# Altium PCB PCB1.PcbDoc (part 1 of 2) (continued)
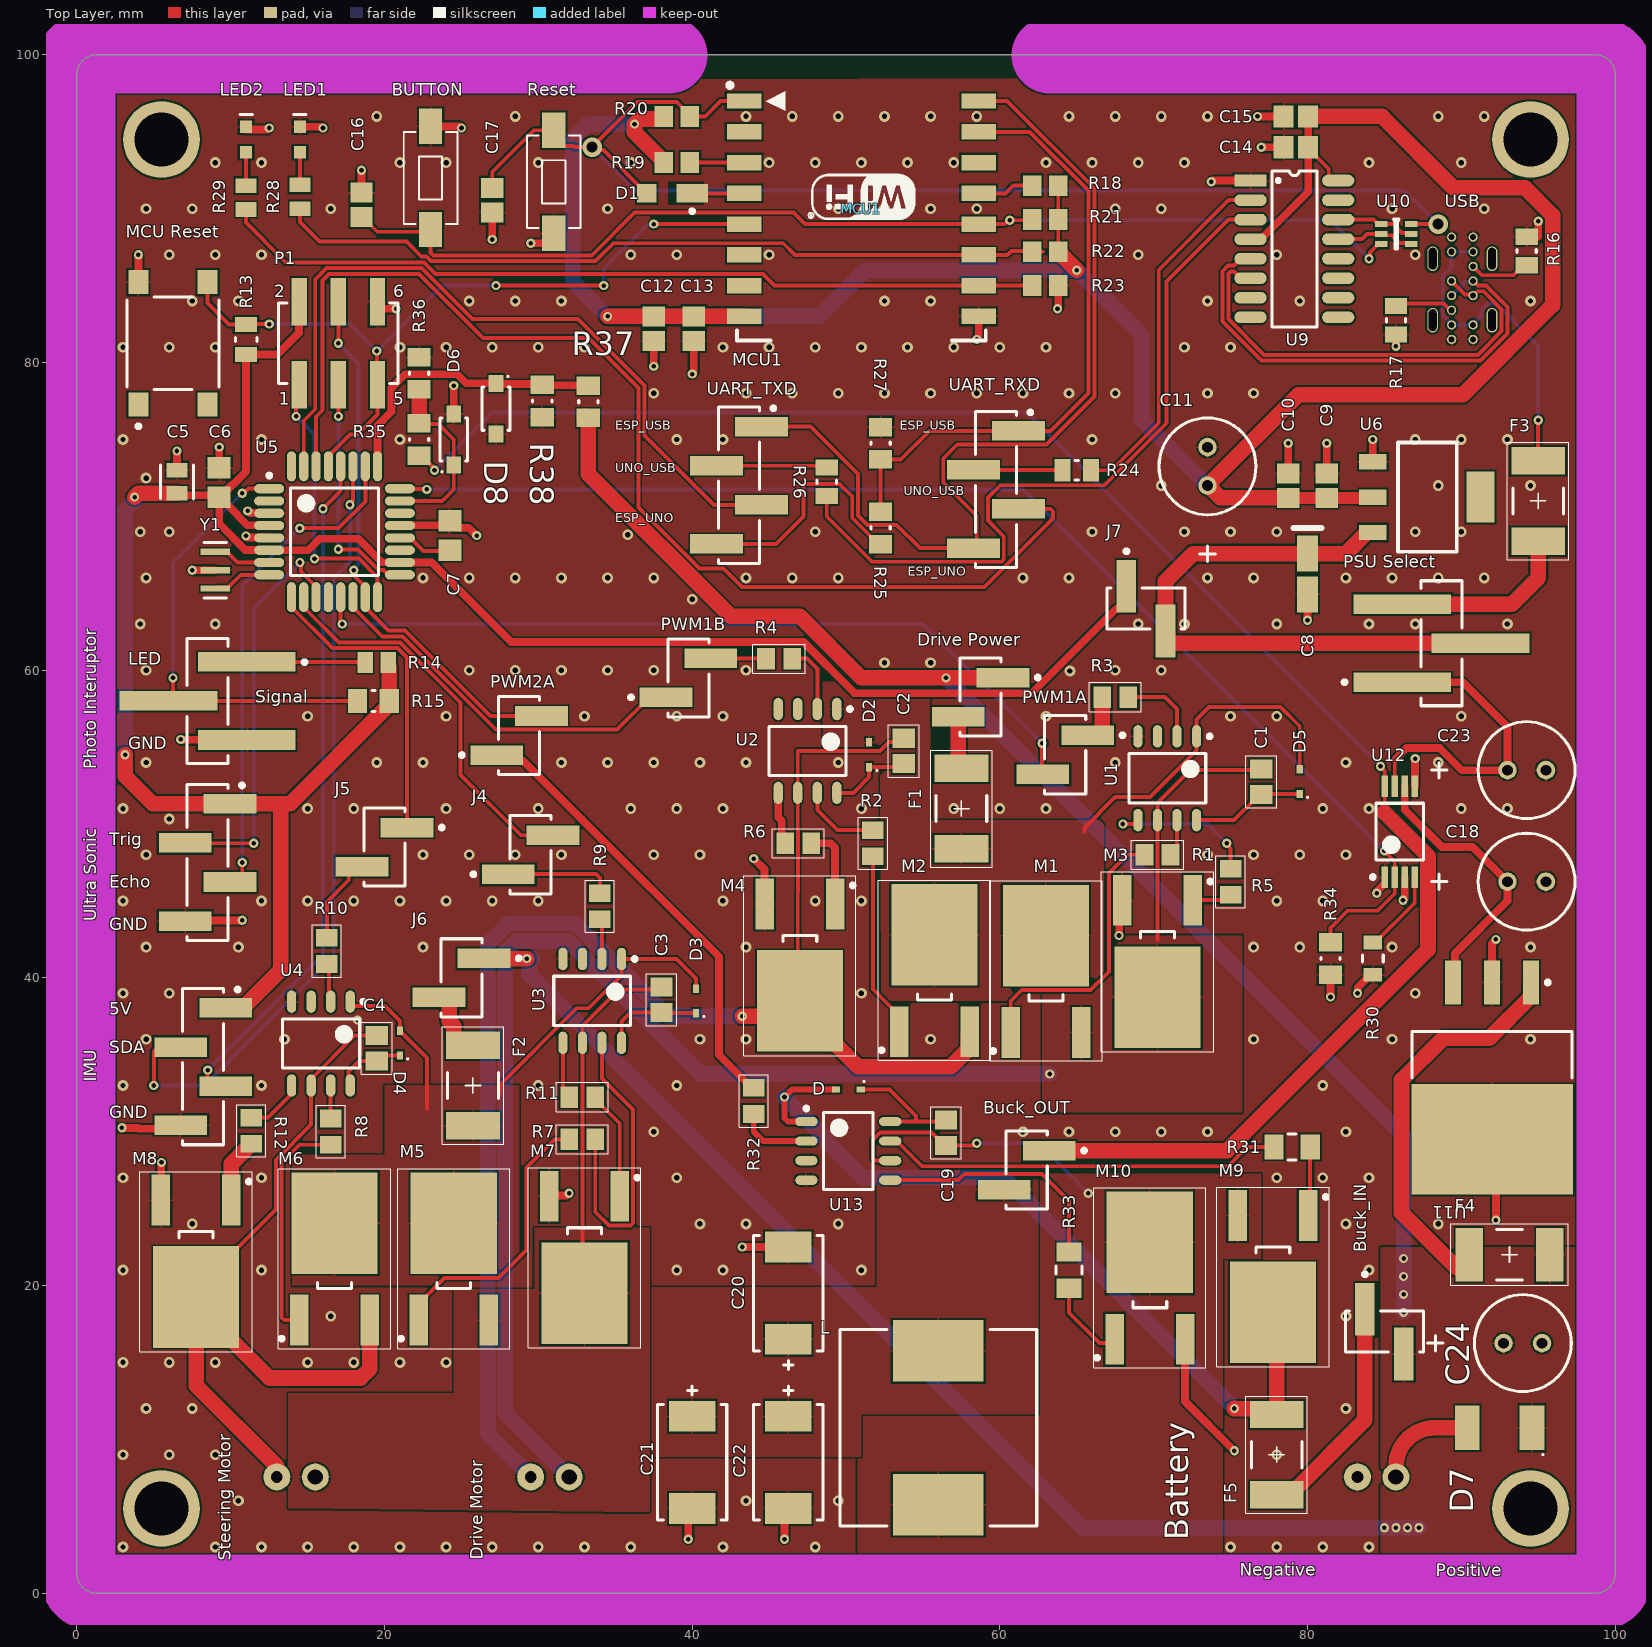
[diagram p0: Top Layer view]
## Footprints (in the part's own frame and the unit in brackets; to place one, negate y for a bottom-side part, rotate by r counter-clockwise, add the part's x,y. Pads: shape width x height; smd on the part's side, far side on the other; paste and mask are expansions set on the pad) (continued)
  silkscreen extent -1.8,-0.72 1.8,0.72, body extent -1.78,-1.05 1.78,1.05, height 0.25
FP-GBC03SABN-M30-MFG [mm]
  rect 1.27x6.35 smd paste+0 mask+0: 1(-2.54,2.54) 2(0,-2.54) 3(2.54,2.54)
  silkscreen extent -4.07,-1.34 4.07,6.43, body extent -4.17,-5.81 4.17,5.81, height 0.25
FP-PTS645SM43SMTR92LFS-MFG [mm]
  rect 1.55x1.3 smd paste+0 mask+0: 1(-3.975,2.25) 2(3.975,2.25) 3(-3.975,-2.25) 4(3.975,-2.25)
  silkscreen extent -5.52,-3 3,3, body extent -4.85,-3.1 4.85,3.1, height 0.25
FP-RNCP1206-IPC_C [mm]
  rect 1.254x1.606 smd paste+0 mask+0: 1(-1.176,0) 2(1.176,0)
  silkscreen extent -0.25,-0.85 0.25,0.85, body extent -1.9,-0.95 1.9,0.95, height 0.25
FP-RT0805-MFG [mm]
  rect 0.9x1.2 smd paste+0 mask+0: 1(-1.05,0) 2(1.05,0)
  silkscreen extent -0.23,-0.67 0.23,0.67, body extent -1.6,-0.77 1.6,0.77, height 0.25
FP-TAJD-MFG [mm]
  rect 2x3 smd paste+0 mask+0: 1(-3,0) 2(3,0)
  silkscreen extent -3.75,-2.25 4.97,2.25, body extent -4.1,-2.35 4.1,2.35, height 0.25
FP-TSM-102-01-T-SV-TR-MFG [mm]
  rect 1.27x3.43 smd paste+0 mask+0: 1(-1.27,1.46) 2(1.27,-1.46)
  silkscreen extent -2.54,-1.34 2.54,3.85, body extent -2.64,-3.27 2.64,3.27, height 0.25
FP-TSM-104-01-L-SV-P-TR-MFG [mil]
  rect 50x135 smd paste+0 mask+0: 1(150,-57.5) 2(50,57.5) 3(-50,-57.5) 4(-150,57.5)
  silkscreen extent -200,-93 202,53, body extent -204,-129 204,129, height 10
IR2302S [mm] "Synchronous_HG_Driver"
  oval 1.45x0.6 smd: 1(-2.725,1.905) 2(-2.725,0.635) 3(-2.725,-0.635) 4(-2.725,-1.905) 5(2.725,-1.905) 6(2.725,-0.635) 7(2.725,0.635) 8(2.725,1.905)
  silkscreen extent -2.85,-2.5 1.6,2.88, body extent -3,-2.5 3,2.5, height 1.75
KEMT-A-3216-18-2_M [mm] "Molded TAN Capacitor, 2-Leads, Body 3.4x1.8mm, IPC Low Density"
  rect 2.35x1.35 smd: 1(-1.325,0) 2(1.325,0)
  silkscreen extent -3,-0.9 -3,0.9, body extent -1.7,-0.9 1.7,0.9, height 1.8
KTT0003B_N [mm] "D2-PAK, 3-Leads, Body 10.41x8.89mm, Pitch 2.54mm, IPC Medium Density"
  rect 2.85x1.05 smd: 1(-6.2,2.54) 2(-6.2,0) 3(-6.2,-2.54)
  rect 7.2x10.5 smd: 4(4,0)
  silkscreen extent -6.32,-5.2 0,5.2, body extent -6.78,-5.2 7.57,5.2, height 4.64
PW0008A_N [mm] "SOP, 8-Leads, Body 4.5x3.1mm, Pitch 0.65mm, IPC Medium Density"
  rrect22% 1.4x0.45 smd: 1(-2.95,0.975) 2(-2.95,0.325) 3(-2.95,-0.325) 4(-2.95,-0.975) 5(2.95,-0.975) 6(2.95,-0.325) 7(2.95,0.325) 8(2.95,0.975)
  silkscreen extent -3.07,-1.55 1.85,1.87, body extent -3.23,-1.5 3.23,1.5, height 1.2
RESC2013X50X30NL20T20 [mm] "Chip Resistor, 2-Leads, Body 2.00x1.25mm, IPC Medium Density"
  rect 1.05x1.45 smd: 1(-0.925,0) 2(0.925,0)
  silkscreen extent -0.1,-0.63 0.1,0.63, body extent -1.1,-0.72 1.1,0.72, height 0.5
RESC2013X60X30ML20T20 [mm] "Chip Resistor, 2-Leads, Body 2.00x1.25mm, IPC Low Density"
  rect 1.25x1.55 smd: 1(-1.025,0) 2(1.025,0)
  silkscreen extent -0.1,-0.67 0.1,0.67, body extent -1.1,-0.72 1.1,0.72, height 0.6
RESC2013X60X40LL20T25 [mm] "Chip Resistor, 2-Leads, Body 2.00x1.25mm, IPC High Density"
  rect 1x1.35 smd: 1(-0.75,0) 2(0.75,0)
  body extent -1.1,-0.72 1.1,0.72, height 0.6
RESC2013X60X40NL20T25_A [mm] "Chip Resistor, 2-Leads, Body 2.20x1.35mm, IPC Medium Density"
  rect 1.2x1.35 smd: 1(-0.85,0) 2(0.85,0)
  body extent -1.1,-0.67 1.1,0.67, height 0.6
RESC2013X70X40LL20T20 [mm] "Chip Resistor, 2-Leads, Body 2.00x1.25mm, IPC High Density"
  rect 0.95x1.35 smd: 1(-0.775,0) 2(0.775,0)
  body extent -1.1,-0.72 1.1,0.72, height 0.7
RNCP0805FTD10R0 [mm] "RES 10 OHM 1% 1/4W 0805"
  rect 1.15x1.4 smd: 1(-0.85,0) 2(0.85,0)
  silkscreen extent -1.7,-0.95 1.7,0.95, body extent -1.07,-0.7 1.07,0.7, height 0.65
ROHM-SMLE12BC7TT86_V [mm] "SMD, 2-Leads, Body 1.6x0.8mm"
  rect 0.8x0.8 smd: 1(-0.825,0) 2(0.825,0)
  silkscreen extent 1.62,-0.4 1.62,0.4, body extent -0.8,-0.4 0.8,0.4, height 0.4
SOP16_50Mil_PinPitch [mm]
  rect 2.1x0.76 smd: 1(0,0)
  oval 2.1x0.76 smd: 2(0,-1.27) 3(0,-2.54) 4(0,-3.81) 5(0,-5.08) 6(0,-6.35) 7(0,-7.62) 8(0,-8.89) 9(5.7,-8.89) 10(5.7,-7.62) 11(5.7,-6.35) 12(5.7,-5.08) 13(5.7,-3.81) 14(5.7,-2.54) 15(5.7,-1.27) 16(5.7,0)
  silkscreen extent 1.38,-9.53 4.32,0.64, body extent 0.8,-9.55 4.9,0.75, height 3.5
SOT-223 [mm]
  rect 3.3x1.8 smd: 0(2.3,7)
  rect 1x1.8 smd: 1(0,0) 2(2.3,0) 3(4.6,0)
  silkscreen extent -1.25,1.64 5.85,5.45
SRR1280-221K [mm] "Precision Wire Wound Inductor, 2-Leads, Body 12.50x12.50mm, IPC Medium Density"
  rect 4x5.9 smd: 1(-5,0) 2(5,0)
  silkscreen extent -6.4,-6.4 6.4,6.4, body extent -6.35,-6.25 6.35,6.25, height 8.1
STPS2L25 [mm] "SMA Flat Notch  IPC Medium Density"
  rect 1.6x2.9 smd: 1(-2.1,0) 2(2.1,0)
  silkscreen extent -2.85,1.7 -2.75,1.8, body extent -2.59,-1.45 2.59,1.45, height 1.1
ULR477M1AE85RR [mm]
  round 1.2 hole 0.7: 1(0,0) 2(2.5,0)
  silkscreen extent -1.9,-3.15 7.45,3.15
UMH3N [mm] "Dual Digital Transistors (NPN+NPN)"
  rect 0.8x0.4 smd: 1(0,0) 2(0,-0.65) 3(0,-1.3) 4(1.94,-1.3) 5(1.94,-0.65) 6(1.94,0)
  silkscreen extent 0.81,-1.63 1.13,0.33
USBC_Vertical [mm]
  round 0.6 hole 0.4: 1(0,0) 2(0.95,0) 3(2.85,0) 4(3.8,0) 5(4.75,0) 6(5.7,0) 7(6.65,0) 8(6.65,1.4) 9(5.7,1.4) 10(3.8,1.4) 11(2.85,1.4) 12(1.9,1.4) 13(0.95,1.4) 14(0,1.4)
  oval 1.6x0.7 hole 0.5 slot 1.4 at 0 deg: 15(1.25,-1.23) 16(5.25,-1.23) 17(1.25,2.63) 18(5.25,2.63)

## Part data
Battery "Drive Motor" "Steering Motor": library part "ERM BLOCK 2POS 45DEG 2.5MM PCB", Supplier Part Number 1=6482111, Supplier 1=RSComponents
Buck_IN Buck_OUT "Drive Power" J4 J5 J6 J7 PWM1A PWM1B PWM2A: library part CMP-02766-000113-1, "CONN HEADER SMD 2POS 2.54MM", Housing Color=Black, Max Current Rating=7A, Max Operating Temperature=105°C, Max Voltage Rating (AC)=475V, Min Operating Temperature=-55°C, Contact Material=Bronze, Contact Plating=Tin, Depth=2.54mm, Gender=Male, Housing Material=Polymer, Lead Free="Lead Free", Length=5.08mm, Number of Contacts=2, Number of Rows=1, Orientation=Straight, Packaging="Tape and Reel", Pitch=2.54mm, Radiation Hardening=No, REACH SVHC="No SVHC", Termination=Solder
BUTTON Reset: library part CMP-1459-00003-1, "WS-TASV SMD Tact Switch 6.0X3.5 mm", Manufacturer="Wuerth Elektronik", ComponentLink1Description="Manufacturer URL", ComponentLink1URL=http://www.we-online.com, ComponentLink2Description=Datasheet, ComponentLink2URL=http://katalog.we-online.de/em/datasheet/434111050826.pdf, NoPins=02, PackageReference=434111050826, PartNumber=434111050826
C1 C2 C3 C4 C19: library part 0805B104K500BD, "0.1 uF 50V Cap"
C5: library part CMP-2007-03243-2, "CAP CER 10UF 10V X5R 0805", 3DS Part Number=220-00001, Capacitance=10uF, Manufacturer=Kemet, Package=C0805C-DG, Temperature="-55°C to +85°C", Temperature Characteristic=X5R, Temperature Coefficient=15%, Temperature Range High=+85°C, Temperature Range Low=-55°C, Tolerance=10%, Voltage=10V, Automotive=No, Category=Cap, ComponentLink2Description=Datasheet, ComponentLink2URL=https://content.kemet.com/datasheets/KEM_C1006_X5R_SMD.pdf, Device Class L1="Passive Components", Device Class L2=Capacitors, Device Class L3="Ceramic Capacitors", Digikey Description="CAP CER 10UF 10V X5R 0805", Height=1.4mm, Ipc Land Pattern Name=CAPC200125X125, Lead Free=Yes, Manufacturer Part Number=C0805C106K8PACTU, Material=Ceramic, Mouser Description="CAP CER 10UF 10V X5R 0805", Octopart=https://octopart.com/c0805c106k8pactu-kemet-98697, RoHS=TRUE, Voltage Rating=10V
C6 C7: library part CMP-2100-03644-1, "Chip Capacitor, 0.1 uF, +/- 10%, 50 V, -55 to 125 degC, 0805 (2012 Metric), RoHS, Tape and Reel", Capacitance=100nF, Case Code (Imperial)=0805, Case Code (Metric)=2012, Dielectric=X7R, Dielectric Material=Ceramic, Insulation Resistance=10GR, Manufacturer=Murata, Max Operating Temperature=125degC, Min Operating Temperature=-55degC, Package Description="2-Pin Surface Mount Device, Body 2 x 1.25 mm", Package Quantity=1, Tolerance=10%, Voltage=50V, Case/Package=0805, Datasheet URL=http://psearch.en.murata.com/capacitor/product/GRM21BR71H104KA01%23.pdf, Datasheet Version=42675.0, Depth=1.25mm, Height=1.25mm, Lead Free=LeadFree, Length=2mm, Manufacturer URL=http://www.murata.com/, Material=Ceramic, Mount=SurfaceMount, Number of Pins=2, Package Reference=0805, Packaging=TapeandReel, Radiation Hardening=No, REACH SVHC=Unknown, RoHSCompliant=true, Termination=SMD/SMT, Thickness=0.053inch, Voltage Rating=50V, Voltage Rating (DC)=50V, Width=0.049inch
C8: library part CMP-2000-05172-1, "Capacitor, Tantalum, 10 uF, +/- 10%, 10 V, -55 to 125 degC, 2-Pin SMD (1206), RoHS, Tape and Reel", Capacitance=10µF, ESR (Equivalent Series Resistance)=3.8Ohm, Lifetime @ Temp.=2000Hrs@85degC, Manufacturer=Kemet, Manufacturer Size Code=A, Operating Temperature=-55degC~125degC, Package / Case=1206(3216Metric), Package Description="2-Pin Surface Mount Device, Body 3.2 x 1.6 mm", Package Reference=1206, Standard Package=2,000, Tolerance=±10%, Voltage - Rated=10V, Catalog Drawings=T49x,T5xxSeries_A-side1T49x,T5xxSeries_A,B-side2T49x,T5xxSeries_A,SBottom, Category=Capacitors, Datasheet URL=http://www.farnell.com/datasheets/1824869.pdf, Datasheet Version=Apr-14, Family=TantalumCapacitors, Features=GeneralPurpose, Height - Seated (Max)="0.071\"(1.80mm)", Lead Spacing=-, Manufacturer URL=http://www.kemet.com/, Mounting Type=SurfaceMount, Online Catalog=T491Series, Other Names=399-3684-2, Packaging=Tape&Reel(TR), Product Training Modules=CapacitorBasics-TypicalUsesforCapacitorsDeratingGuidelinesforSurfaceMountTantalumCapacitors, Series=T491, Size / Dimension="0.126\"Lx0.063\"W(3.20mmx1.60mm)", Type=Molded
C9 C12 C14 C16 C17: library part CMP-2007-00279-1, Manufacturer=Kemet, Part Number=C0805C104K5RACTU
C10 C13 C15: library part CMP-2007-03243-1, Manufacturer=Kemet, Part Number=C0805C106K8PACTU
C11 C18 C23 C24: library part ULR477M1AE85RR
C20 C21 C22: library part CMP-2000-05064-2, "100uF 16V  ±10% 600mΩ 2917  SMD Tantalum CapacitorTAJD107K016RNJ", Case Code (Imperial)=2917, Case Code (Metric)=7343, Dielectric Material=Tantalum, ESR (Equivalent Series Resistance)=600mR, Leakage Current=16uA, Max Operating Temperature=125°C, Min Operating Temperature=-55°C, Package Quantity=1, Tolerance=10%, Voltage=16V, Capacitance=100uF, Case/Package=2917, Construction=Flat, Depth=4.3mm, Dissipation Factor=6%, Features="General Purpose", Height=2.9mm, Height - Seated (Max)=0.122inch, Lead Free="Lead Free", Length=7.3mm, Mount="Surface Mount", Number of Pins=2, Packaging="Tape and Reel", Polarity=Polar, Radiation Hardening=No, REACH SVHC="No SVHC", RoHS Compliant=Yes, Series=TAJ, Termination=SMD/SMT, Voltage Rating=16V, Voltage Rating (DC)=16V, Width=4.3mm
D D2 D3 D4 D5: "30V, Vf 620 mV @ 500 mA, 25 µA @ 30 V, Fast Recovery =< 500ns, > 200mA"
D6 D8: "BZT52-C5V1_R1_00001 / 5.1V Zener Diode"
F1 F2 F3 F4 F5: library part 0ZCG0050AF2C, "PTC Resettable Fuse 0.5A(hold) 1A(trip) 30VDC 100A 0.8W 0.15s 0.15Ohm SMD Solder Pad 1812 T/R", Case Code (Imperial)=1812, Case Code (Metric)=4532, Hold Current=500mA, Manufacturer=Bel, Max Current Rating=100A, Max Operating Temperature=85°C, Min Operating Temperature=-40°C, Package Quantity=1, Supplier Part Number 1=48AC8390, Case/Package=1812, Category="PTC Resettable Fuses", ComponentLink1Description=https://datasheet.ciiva.com/18550/0zcg-18550748.pdf?src-supplier=Digi-Key, ComponentLink1URL=https://datasheet.ciiva.com/18550/0zcg-18550748.pdf?src-supplier=Digi-Key, ComponentLink2Description=https://datasheet.ciiva.com/18550/0zcg-18550749.pdf?src-supplier=Digi-Key, ComponentLink2URL=https://datasheet.ciiva.com/18550/0zcg-18550749.pdf?src-supplier=Digi-Key, ComponentLink3Description=https://datasheet.ciiva.com/18550/0zcg-18550750.pdf?src-supplier=Digi-Key, ComponentLink3URL=https://datasheet.ciiva.com/18550/0zcg-18550750.pdf?src-supplier=Digi-Key, Contact Plating=Tin,Matte, Lead Free="Lead Free", Manufacturer Part Number=0ZCG0050AF2C, Mount="Surface Mount", Packaging="Tape and Reel", Pricing 1="1=0.14000, 10=0.12900, 25=0.12200, 50=0.11500, 100=0.10700, 250=0.09600 (USD)", RoHS=Yes, RoHS Compliant=Yes, Stock 1=19101, Supplier 1=Newark, Time to Trip=0.15s, Trip Current=1A
IMU UART_RXD UART_TXD "Ultra Sonic": library part CMP-02766-000011-1, "CONN HEADER SMD 4POS 2.54MM", Current Rating=5.4A, Manufacturer=Samtec, Temperature="-55°C to +125°C", Temperature Range High=+125°C, Temperature Range Low=-55°C, Voltage Rating=475V, Automotive=No, Category=Conn, ComponentLink2Description=Datasheet, ComponentLink2URL=http://suddendocs.samtec.com/prints/tsm-1xx-xx-xxx-sv-xx-xxx-xx-mkt.pdf, Conn Gender=Male, Conn Orientation=Vertical, Contact Material=Gold,Nickel, Device Class L1=Connectors, Device Class L2="Headers and Wire Housings", Device Class L3=unset, Digikey Description="CONN HEADER SMD 4POS 2.54MM", Footprint Url=http://suddendocs.samtec.com/prints/tsm-1xx-xx-xx-sv-xx-xxx-xx-footprint.pdf, Height=0.403inch, Lead Free=Yes, Manufacturer Part Number=TSM-104-01-L-SV-P-TR, Number of Contacts=4, Number of Rows=1, Octopart=https://octopart.com/tsm-104-01-l-sv-p-tr-samtec-6805355, Package=TSM-104-01-L-SV-P-TR, Pitch=2.54mm, RoHS=TRUE, Standoff Height=0.04inch
L: library part SRR1280-221K
LED1 LED2: library part CMP-2000-07118-1, "Blue LED, 2.9 V, 20 mA, -30 to 85 degC, 2-Pin SMD, RoHS, Tape and Reel", Color=Blue, Forward (Drive) Current=20mA, Forward Voltage=2.9V, Manufacturer=Rohm, Package Description="2-Pin Surface Mount Device, Body 1.6 x 0.8 mm", Package Reference=1608, Datasheet URL=https://datasheet.ciiva.com/11773/0900766b80df3ad8-11773825.pdf, Datasheet Version="Rev. 2.0, 03/2010", Dimension=1.6x0.8x0.36mm, Intensity=22mcd, Lens Type=Clear, Manufacturer URL=http://www.rohm.com/web/global/, Mounting Technology=SurfaceMount, Viewing Angle=140°
M1 M2 M3 M4 M5 M6 M7 M8 M9 M10: library part AOD424, "MOSFET N-CH 20V 18A TO252", Case/Package=TO-252-3, Continuous Drain Current (ID)=45A, Drain to Source Voltage (Vdss)=20V, Input Capacitance=4.63nF, Manufacturer="Alpha & Omega Semiconductor", Max Operating Temperature=175°C, Max Output Current=350mA, Max Power Dissipation=2.5W, Max Supply Current=1.6mA, Min Operating Temperature=-55°C, Min Output Voltage=10V, Min Supply Voltage=5V, Output Current=200mA, Output Voltage=620V, Package Quantity=950, Power Dissipation=625mW, Supplier Part Number 1=785-1565-1-ND, Category=Transistors, ComponentLink1Description=https://datasheet.ciiva.com/6384/aod424-6384722.pdf?src-supplier=Digi-Key, ComponentLink1URL=https://datasheet.ciiva.com/6384/aod424-6384722.pdf?src-supplier=Digi-Key, ComponentLink2Description=https://datasheet.ciiva.com/6384/aod424-6384725.pdf?src-supplier=Digi-Key, ComponentLink2URL=https://datasheet.ciiva.com/6384/aod424-6384725.pdf?src-supplier=Digi-Key, ComponentLink3Description=https://datasheet.ciiva.com/1952/ir2302-1952914.pdf?src-supplier=Digi-Key, ComponentLink3URL=https://datasheet.ciiva.com/1952/ir2302-1952914.pdf?src-supplier=Digi-Key, ComponentLink4Description=https://datasheet.ciiva.com/15110/getdatasheetpartid-188955-15110020.pdf?src-supplier=Verical, ComponentLink4URL=https://datasheet.ciiva.com/15110/getdatasheetpartid-188955-15110020.pdf?src-supplier=Verical, ComponentLink5Description=https://datasheet.ciiva.com/1499/60025-1499718.pdf?src-supplier=Element14, ComponentLink5URL=https://datasheet.ciiva.com/1499/60025-1499718.pdf?src-supplier=Element14, Fall Time=80ns, Height=1.5mm, Lead Free="Lead Free", Length=5mm, Manufacturer Part Number=AOD424, Max Output Voltage=20V, Max Supply Voltage=20V, Mount="Surface Mount", Nominal Supply Current=1.6mA, Number of Drivers=2, Number of Outputs=2, Number of Pins=8, Packaging="Tape and Reel", Pricing 1="1=0.98000, 10=0.86400, 100=0.66240, 500=0.52360, 1000=0.41888 (USD)", Propagation Delay=950ns, Radiation Hardening=No, Rds On Max=4.4mR, REACH SVHC="No SVHC", Rise Time=220ns, RoHS=Yes, RoHS Compliant=Yes, Series=-, Stock 1=1803, Supplier 1=Digi-Key, Supplier 2=Newark, Termination=SMD/SMT, Turn-Off Delay Time=70ns, Turn-On Delay Time=70ns, Width=4mm
MCU1: library part "ESP8266 ESP-12F - Danon - NoSPI"
"MCU Reset": library part CMP-2000-05160-2, "SWITCH TACTILE SPST-NO 0.05A 12V", Case/Package=SMD/SMT, Color=Black, Contact Resistance=100mR, Current Rating=50mA, Max Operating Temperature=60°C, Max Voltage Rating (DC)=12V, Min Operating Temperature=-20°C, Operating Force=160gf, Package Quantity=1, Actuator Length=0.85mm, Actuator Material=Nylon, Actuator Type=Standard, Contact Material=Silver, Contact Plating=Silver, Depth=9mm, Illumination Type=Non-Illuminated, Lead Free="Lead Free", Length=6mm, Max Current Rating=50mA, Mechanical Life=100000Cycles, Mount="Surface Mount", Orientation=Straight, Packaging="Tape and Reel", REACH SVHC="No SVHC", Switch Function=Off-Mom, Termination="Gull Wing", Throw Configuration=SPST, Voltage Rating (DC)=12V
P1: library part CMP-1502-01051-1, "SMT Vertical Pin Header WR-PHD, Pitch 2.54 mm, Dual Row, 6 pins", Contact Resistance=20mOhm, Manufacturer="Wurth Elektronik", Operating Temperature=-40to125degC, Rated Current=3A, Withstanding Voltage=500VAC, Working Voltage=250VAC, Datasheet URL=https://katalog.we-online.de/em/datasheet/6103xx21121.pdf, Gender=Male, Manufacturer URL=http://www.we-online.de, Mounting Technology=SMT, Orientation=Vertical, Package Reference=61030621121, Packaging=TapeandReel, Part Number=61030621121, Pin Number=6, Pitch=2.54mm, Publisher=WurthElektronik, Row Number=Dual
"Photo Interuptor" "PSU Select": library part CMP-25680-000055-1, "CONN HEADER SMD 3POS 2.54MM", Color=Black, Package Quantity=1, Connector Type="Male Pin", Contact Material=Bronze, Contact Mating Length=0.23inch, Contact Plating=Gold, Contact Type="Male Pin", Gender=Male, Height=2.54mm, Housing Color=Black, Housing Material=Plastic, Lead Free="Lead Free", Length=7.62mm, Mount="Surface Mount", Number of Contacts=3, Number of Positions=3, Number of Rows=1, Packaging=Bulk, Pitch=0.1inch, RoHS Compliant=Yes, Series=-, Termination=Solder, Width=2.54mm
R1 R2 R5 R6 R7 R8 R11 R12: library part RNCP0805FTD10R0, "RES 10 OHM 1% 1/4W 0805", Case Code (Imperial)=0805, Case Code (Metric)=2012, Manufacturer="Stackpole Electronics", Max Operating Temperature=155°C, Max Power Dissipation=250mW, Min Operating Temperature=-55°C, Resistor Type="Thin Film", Temperature Coefficient=100ppm/°C, Tolerance=1%, Case/Package=0805, Category="Chip SMD Resistors", ComponentLink1Description=https://www.seielect.com/catalog/sei-rncp.pdf?src-supplier=Digi-Key, ComponentLink1URL=https://www.seielect.com/catalog/sei-rncp.pdf?src-supplier=Digi-Key, Features="Moisture Resistant,Anti-Sulfur", Height=0.024inch, Length=0.079inch, Manufacturer Part Number=RNCP0805FTD10R0, Mount="Surface Mount", Number of Terminations=2, Packaging="Tape and Reel", Pricing 1="5000=0.00682, 10000=0.00672, 20000=0.00653, 30000=0.00638, 40000=0.00614, 50000=0.00600, 500000=0.00586 (USD)", Resistance=10R, RoHS=Yes, RoHS Compliant=Yes, Series=RNCP, Stock 1=65000, Supplier 1=Avnet, Supplier Part Number 1=RNCP0805FTD10R0, Width=0.049inch
R3 R4 R9 R10 R32: library part RNCP0805FTD1K00, "Res Thin Film 0805 1K Ohm 1% 0.25W(1/4W) ±100ppm/C Sulfur Resistant Pad SMD T/R", Case Code (Imperial)=0805, Case Code (Metric)=2012, Manufacturer="Stackpole Electronics", Max Operating Temperature=155°C, Max Power Dissipation=250mW, Min Operating Temperature=-55°C, Resistance=1kR, Resistor Type="Thin Film", Supplier Part Number 1=RNCP0805FTD1K00CT-ND, Temperature Coefficient=100ppm/°C, Tolerance=1%, Case/Package=0805, Category="Chip SMD Resistors", ComponentLink1Description=http://www.seielect.com/Catalog/SEI-rncp.pdf?src-supplier=Future+Electronics, ComponentLink1URL=http://www.seielect.com/Catalog/SEI-rncp.pdf?src-supplier=Future+Electronics, ComponentLink2Description=https://www.seielect.com/Catalog/SEI-rncp.pdf?src-supplier=Digi-Key, ComponentLink2URL=https://www.seielect.com/Catalog/SEI-rncp.pdf?src-supplier=Digi-Key, ComponentLink3Description=https://www.seielect.com/catalog/SEI-Packaging.pdf?src-supplier=Digi-Key, ComponentLink3URL=https://www.seielect.com/catalog/SEI-Packaging.pdf?src-supplier=Digi-Key, Features="Moisture Resistant,Anti-Sulfur", Height=0.024inch, Lead Free="Lead Free", Length=0.079inch, Manufacturer Part Number=RNCP0805FTD1K00, Mount="Surface Mount", Number of Terminations=2, Packaging="Tape and Reel", Power Rating=250mW, Pricing 1="1=0.10000, 10=0.07300, 100=0.02970, 1000=0.01336, 2500=0.01159 (USD)", RoHS=Yes, RoHS Compliant=Yes, Series=RNCP, Size Code=0805, Stock 1=41120, Supplier 1=Digi-Key, Width=0.049inch
R13 R25 R27 R34 R35 R36 R37 R38: library part CMP-2001-04908-2, "RES Thick Film, 10kΩ, 1%, 0.125W, 100ppm/°C, 0805", Case Code (Imperial)=0805, Case Code (Metric)=2012, Max Operating Temperature=155°C, Min Operating Temperature=-55°C, Package Quantity=5000, Power Rating=125mW, Resistance=10kR, Temperature Coefficient=100ppm/°C, Tolerance=1%, Voltage Rating=150V, Case/Package=0805, Composition="Thick Film", Contact Plating=Tin, Depth=1.25mm, Height=0.45mm, Lead Free="Lead Free", Length=2mm, Military Standard=Not, Packaging="Tape and Reel", Radiation Hardening=No, Termination=SMD/SMT, Voltage Rating (DC)=150V, Weight=0.000194oz, Width=1.25mm
R14: library part CMP-2001-00604-1, Manufacturer=Panasonic, Part Number=ERA6AEB181V
R15: library part CMP-2001-02579-1, Manufacturer="KOA Speer", Part Number=SG73S2ATTD2201F
R16 R17: library part CMP-2001-04024-1, Manufacturer="Vishay Dale", Part Number=CRCW08055K10FKEA
R18 R19 R20 R21 R22 R23: library part CMP-2000-06228-1, "Metal Film Chip Resistor, High Reliability Type, 0.125 W, +/- 0.1%, -55 to 155 degC, 0805 (2012 Metric), RoHS, Tape and Reel", Case Code - in=0805, Case Code - mm=2012, Manufacturer=Panasonic, Operating Temperature Range=-55Cto+155C, Package / Case=0805(2012metric), Package Description="2-Pin Surface Mount Device, Body 2 x 1.25 mm", Power Rating=125mW(1/8W), Resistance=10kOhms, Temperature Coefficient=25PPM/C, Tolerance=0.1%, Voltage Rating=100V, Brand=Panasonic, Datasheet URL=https://industrial.panasonic.com/cdbs/www-data/pdf/RDM0000/AOA0000C307.pdf, Datasheet Version=02/2016, Factory Pack Quantity=5000, Height=0.5mm, Length=2mm, Manufacturer URL=http://www.panasonic.com/, Mounting Technology=SurfaceMount, Package Reference=0805, Packaging=Reel, Product=ThinFilmResistorsSMD, Product Category=ThinFilmResistors-SMD, RoHS=Details, Series=ERA-6A, Termination Style=SMD/SMT, Type=MetalFilmChipResistors, Width=1.25mm
R24 R26: library part CMP-2001-03930-1, Manufacturer="Vishay Dale", Part Number=CRCW0805470KFKEA
R28 R29: library part CMP-2001-00368-1, Manufacturer=Panasonic, Part Number=ERJ-6GEYJ200V
R30: library part CMP-03412-013530-1, "RES SMD 200 OHM 0.5% 1/8W 0805", Manufacturer=Yageo, Package=RT0805, Power Rating=0.125W, Resistance=200Ω, Temperature="-55°C to +155°C", Temperature Coefficient="25 ppm/°C", Temperature Range High=+155°C, Temperature Range Low=-55°C, Tolerance=0.01, Voltage Rating=150V, Automotive=No, Category=Res, ComponentLink2Description=Datasheet, ComponentLink2URL=http://www.yageo.com/documents/recent/PYu-RT_1-to-0.01_RoHS_L_9.pdf, Composition="Thin Film", Device Class L1="Passive Components", Device Class L2=Resistors, Device Class L3="Chip SMD Resistors", Digikey Description="RES SMD 200 OHM 0.5% 1/8W 0805", Footprint Url=http://www.yageo.com/exep/pages/download/literatures/PYu-R_Mount_10.pdf, Height=0.6mm, Ipc Land Pattern Name=RESC200125X50, Lead Free=Yes, Manufacturer Part Number=RT0805DRD07200RL, Octopart=https://octopart.com/rt0805drd07200rl-yageo-1186132, RoHS=TRUE, Series=RT
R31 R33: library part CMP-26527-002555-1, "10Ω ±1% 0.5W 1206 High Power Anti-Sulfur Thin Film Chip Resistor / RNCP1206FTD10R0", Case Code (Imperial)=1206, Case Code (Metric)=3216, Max Operating Temperature=155°C, Max Power Dissipation=500mW, Min Operating Temperature=-55°C, Resistance=10R, Resistor Type="Thin Film", Temperature Coefficient=100ppm/°C, Tolerance=1%, Case/Package=1206, Contact Plating=Tin, Features="Moisture Resistant", Height=0.024inch, Lead Free="Lead Free", Length=0.122inch, Mount="Surface Mount", Number of Terminations=2, Packaging="Tape and Reel", RoHS Compliant=Yes, Series=RNCP, Width=0.059inch
U5: library part CMP-0095-00269-2, "8-bit AVR Microcontroller, 32KB Flash, 1KB EEPROM, 2KB SRAM, 32-pin TQFP, Industrial Grade (-40°C to 85°C)", Code_JEDEC=MS-026-ABA, ComponentLink1Description="Manufacturer URL", ComponentLink1URL=http://www.atmel.com/, ComponentLink2Description="ATmega48A/48PA/88A/88PA/168A/168PA/328/328P Datasheet", ComponentLink2URL=http://www.atmel.com/dyn/resources/prod_documents/doc8271.pdf, ComponentLink3Description="ATmega48A/48PA/88A/88PA/168A/168PA/328/328P Summary", ComponentLink3URL=http://www.atmel.com/dyn/resources/prod_documents/8271S.pdf, DatasheetVersion="revD, May-2011", PackageDescription="32-Lead, 7x7x1.0 mm Body, 0.8mm Lead Pitch, Thin Profile Plastic Quad Flat Package (TQFP)", PackageReference=32A, PackageVersion="revC, Oct-2010", RevisionNote="DatasheetVersion & PackageVersion updated. URLs added."
U6: "3.3V  3-Terminal Adjustable Positive Voltage Regulator", ComponentLink1Description="Supplier URL", ComponentLink1URL=https://lcsc.com/product-detail/Low-Dropout-Regulators-LDO_AMS_AMS1117-3-3_AMS1117-3-3_C6186.html
U11: library part CMP-0062-00606-4, "1A Low Dropout Regulator, 3-pin TO-263, Pb-Free", Manufacturer="Texas Instruments", PackageTopMarking="NSUZXYTTE#*LM2940CS*-5.0 P+", PowerWise=N, Code_JEDEC=MO-169-AA, ComponentLink1Description="Datasheet URL", ComponentLink1URL=http://www.ti.com/general/docs/lit/getliterature.tsp?genericPartNumber=LM2940C&fileType=pdf, CompType="LDO IC", PackageDescription="TO-263, Molded, .400 x .390 x .180in, 3 Lead, .1in Pitch, Surface Mount", PackageReference=KTT0003B, PinCount=3, RoHS=Y
U12: library part CMP-0339-00059-2, "Dual In / Single Out Autoswitching Power Mux, 2.8 to 5.5 V, -40 to 85 degC, 8-pin TSSOP (PW), Green (RoHS & no Sb/Br)", IN1 Output Current(Max)(A)=0.75, IN1, IN2 Input Voltage(Max)(V)=5.5, IN1, IN2 Input Voltage(Min)(V)=2.8, Manufacturer="Texas Instruments", Code_JEDEC=MO-153, ComponentLink1Description=Datasheet, ComponentLink1URL=http://www.ti.com/general/docs/lit/getliterature.tsp?genericPartNumber=TPS2110A&fileType=pdf, DatasheetVersion=SBVS043A, Eco-Plan="Green (RoHS & no Sb/Br)", IN1 rDS(on)(Typ)(mOhm)=120, IN2 Output Current(Max)(A)=0.75, IN2 rDS(on)(Typ)(Ohms)=0.12, Mounting Technology="Surface Mount", Number of Inputs=2, PackageDescription="8-Pin Plastic Thin Small Outline Package 3 x 4.4 mm Body ,0.65 mm Pitch", PackageReference=PW0008A, PackageVersion="revG, Feb-2011", PartNumber=TPS2110APWR, SubFamily="Power Multiplexer (MUX)"
Y1: library part CMP-06054-000001-1, "CERAMIC RES 20.0000MHZ 15PF SMD", Capacitance=15pF, Case/Package=SSOP, Frequency=16MHz, Frequency Stability=0.3%, Frequency Tolerance=0.5%, Isolated Power=No, Manufacturer=Murata, Manufacturer Part Number=CSTNE16M0V530000R0, Max Operating Temperature=85°C, Min Operating Temperature=-40°C, Package=0, Resistor Type=Ceramic, Supplier Part Number 1=81-CSTNE20M0V530000R, Temperature="-40°C to +85°C", Temperature Range High=+85°C, Automotive=No, Category=Crys, Channel Type=Unidirectional, ComponentLink1Description=https://www.murata.com/en/products/productdata/8801161510942/SPEC-CSTNE20M0V530000R0.pdf?src-supplier=Digi-Key, ComponentLink1URL=https://www.murata.com/en/products/productdata/8801161510942/SPEC-CSTNE20M0V530000R0.pdf?src-supplier=Digi-Key, ComponentLink2Description=Datasheet, ComponentLink2URL=https://www.murata.com/en-sg/products/productdata/8801162231838/SPEC-CSTNE16M0V530000R0.pdf?1545967809000, Data Rate=150Mbps, Device Class L1="Passive Components", Device Class L2="Crystals / Oscillators", Device Class L3=Crystals, Digikey Description="CERAMIC RES 16.0000MHZ 15PF SMD", Esr=40Ω, Height=1mm, Impedance=40R, Lead Free=Yes, Load Capacitance=15pF, Mount="Surface Mount", Mouser Description="Ceramic Resonator 16MHz ±0.5% (Tol) ±0.3% (Stability) 15pF 40Ohm 3-Pin CSMD T/R", Number of Channels=6, Octopart=https://octopart.com/cstne16m0v530000r0-murata-91406924, Packaging=Rail/Tube, Pricing 1="1=0.27000, 10=0.22300, 50=0.20100, 100=0.17800, 1000=0.14300, 10000=0.13400 (USD)", Propagation Delay=13ns, Pulse Width Distortion (PWD)=4.5ns, RoHS=TRUE, RoHS Compliant=Yes, Series=CSTNE_V, Stability=0.3%, Stock 1=22987, Supplier 1=Mouser, Temperature Range Low=-40°C, Tolerance=0.5%, Type="General Purpose"
U1 U2 U3 U4 U13: Manufacture Part Number=IR2302
U9: ComponentLink1Description="Supplier URL", ComponentLink1URL=https://lcsc.com/product-detail/USB_CH340C_C84681.html

## Free pads (board coordinates)
  round 5 hole 3.5: 3(5.5,94.5) 4(5.5,5.5) 5(94.5,5.5) 6(94.5,94.5)

## Via types
v1: diameter 0.7, hole 0.35, Top Layer to Bottom Layer, 303 vias
v2: diameter 0.6, hole 0.3, Top Layer to Bottom Layer, 100 vias
v3: diameter 1.27, hole 0.711, Top Layer to Bottom Layer, 2 vias

## Nets (pads, with @x,y where several pads share a name; then routed paths per layer and width w, separated by ;. In a path a pad name is that pad's centre, name@x,y a point inside that pad or via, vN(x,y) a via of type N, cw(c..) or ccw(c..) an arc to the next point about the centre after c; other vN are vias at no path point)
3V3_Telemetry: C9.2 C10.2 C11.2 C12.2 C13.2 C14.2 C15.2 MCU1.8 R18.1 R19.1 R20.1 R21.1 R22.1 U6.2 U9.4 U9.16 | length 162.3
  Top Layer w0.254: R22.1@63.8,87.2 R18.1@63.8,91.5 ; C14.2@80.05,93.925 81.384,92.591 81.384,92.064 81.618,91.83 U9.16@82,91.83
  Top Layer w0.508: U9.4@76.3,88.02 76.382,88.102 77.052,88.102 80.05,91.1 80.05,93.925 C15.2@80.05,95.925
  Top Layer w0.762: C10.2@78.75,71.2 C9.2@81.25,71.2 84.25,71.2 U6.2@84.25,71.25
  Top Layer w1.016: v2(34.5,83) MCU1.8@43.375,83 ; R19.1@38.15,93 38.058,93.092 38.058,93.167 36.25,94.975 v2(36.25,95.5) 36.583,95.833 38.058,95.833 38.15,95.925 R20.1@38.15,96 ; R22.1@63.8,87.2 v2(65,86) ; C10.2@78.75,71.2 74.35,71.2 73.55,72 C11.2@73.5,72 79.396,77.896 90.099,77.896 95.935,83.732 95.935,89.565 94.135,91.365 89.481,91.365 84.846,96 C15.2@80.05,96
  Bottom Layer w1.016: v2(36.25,95.5) 33.204,95.5 32.23,94.526 32.23,85.27 v2(34.5,83) 48.25,83 51.25,86 v2(65,86) 69.232,81.768 69.232,76.268 C11.2@73.5,72
5V_MAIN: "PSU Select.2" C8.1 J7.2 U6.3 | length 38.8
  Top Layer w1.016: U6.3@83.858,68.942 82.491,67.575 72.566,67.575 70.77,65.779 J7.2@70.77,62.54 70.897,62.413 70.897,61.75 91.25,61.75